# KiCad board Boven.kicad_pcb
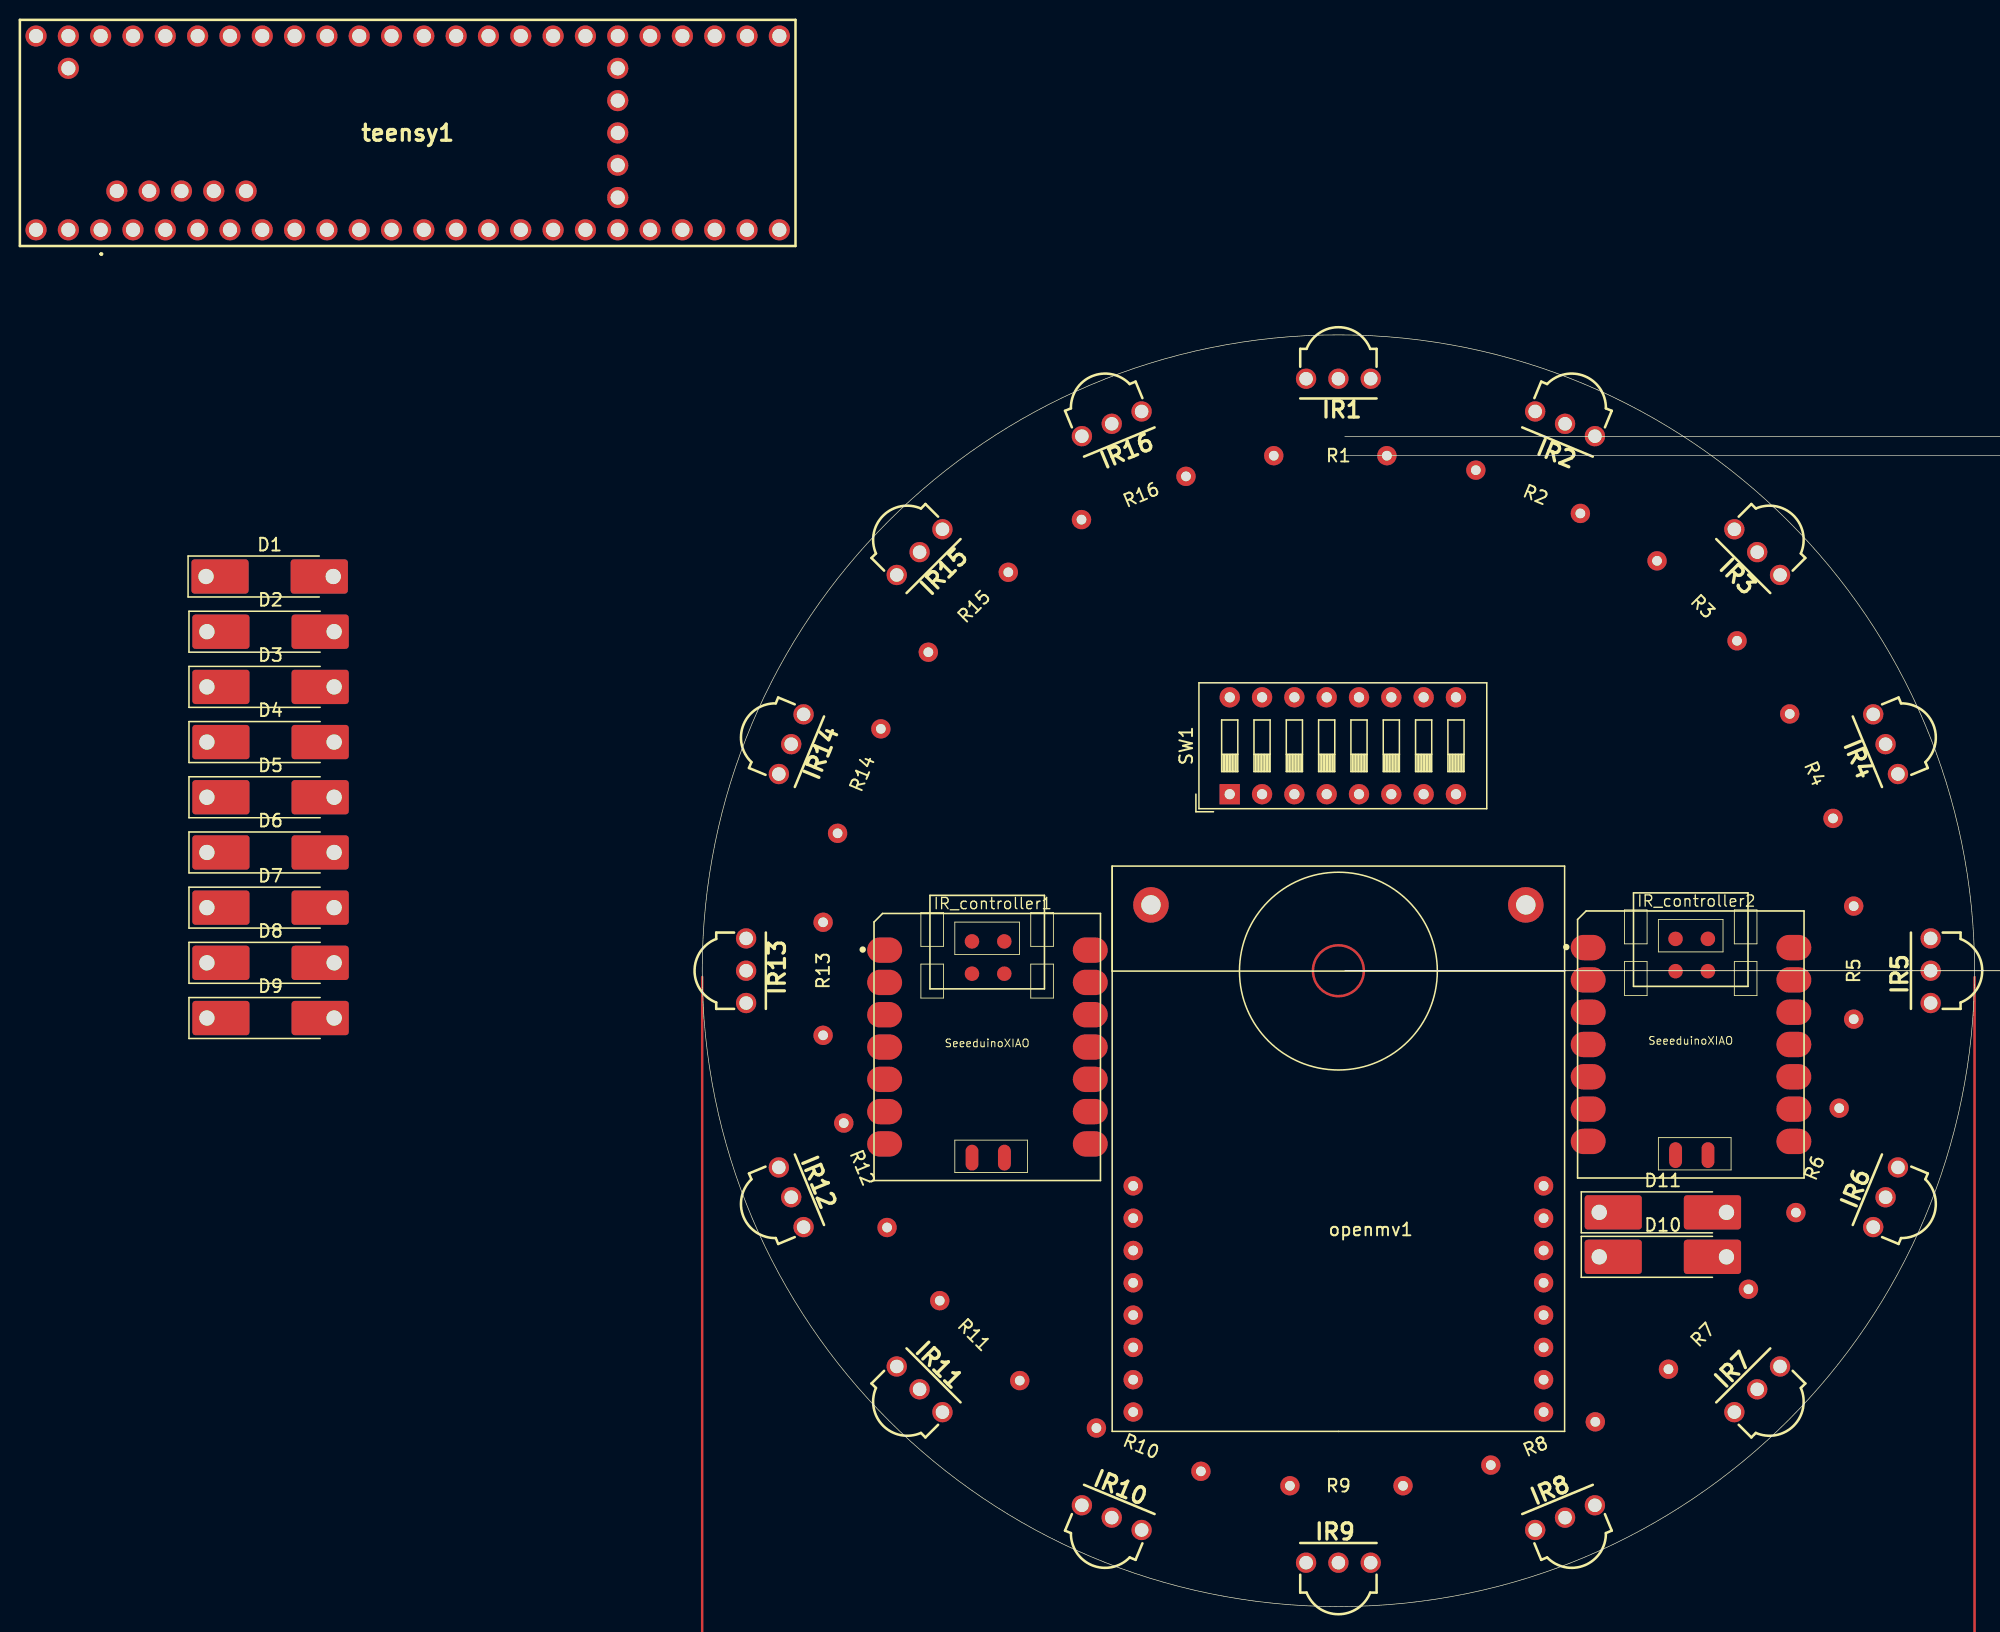
[diagram p0: board, top side]
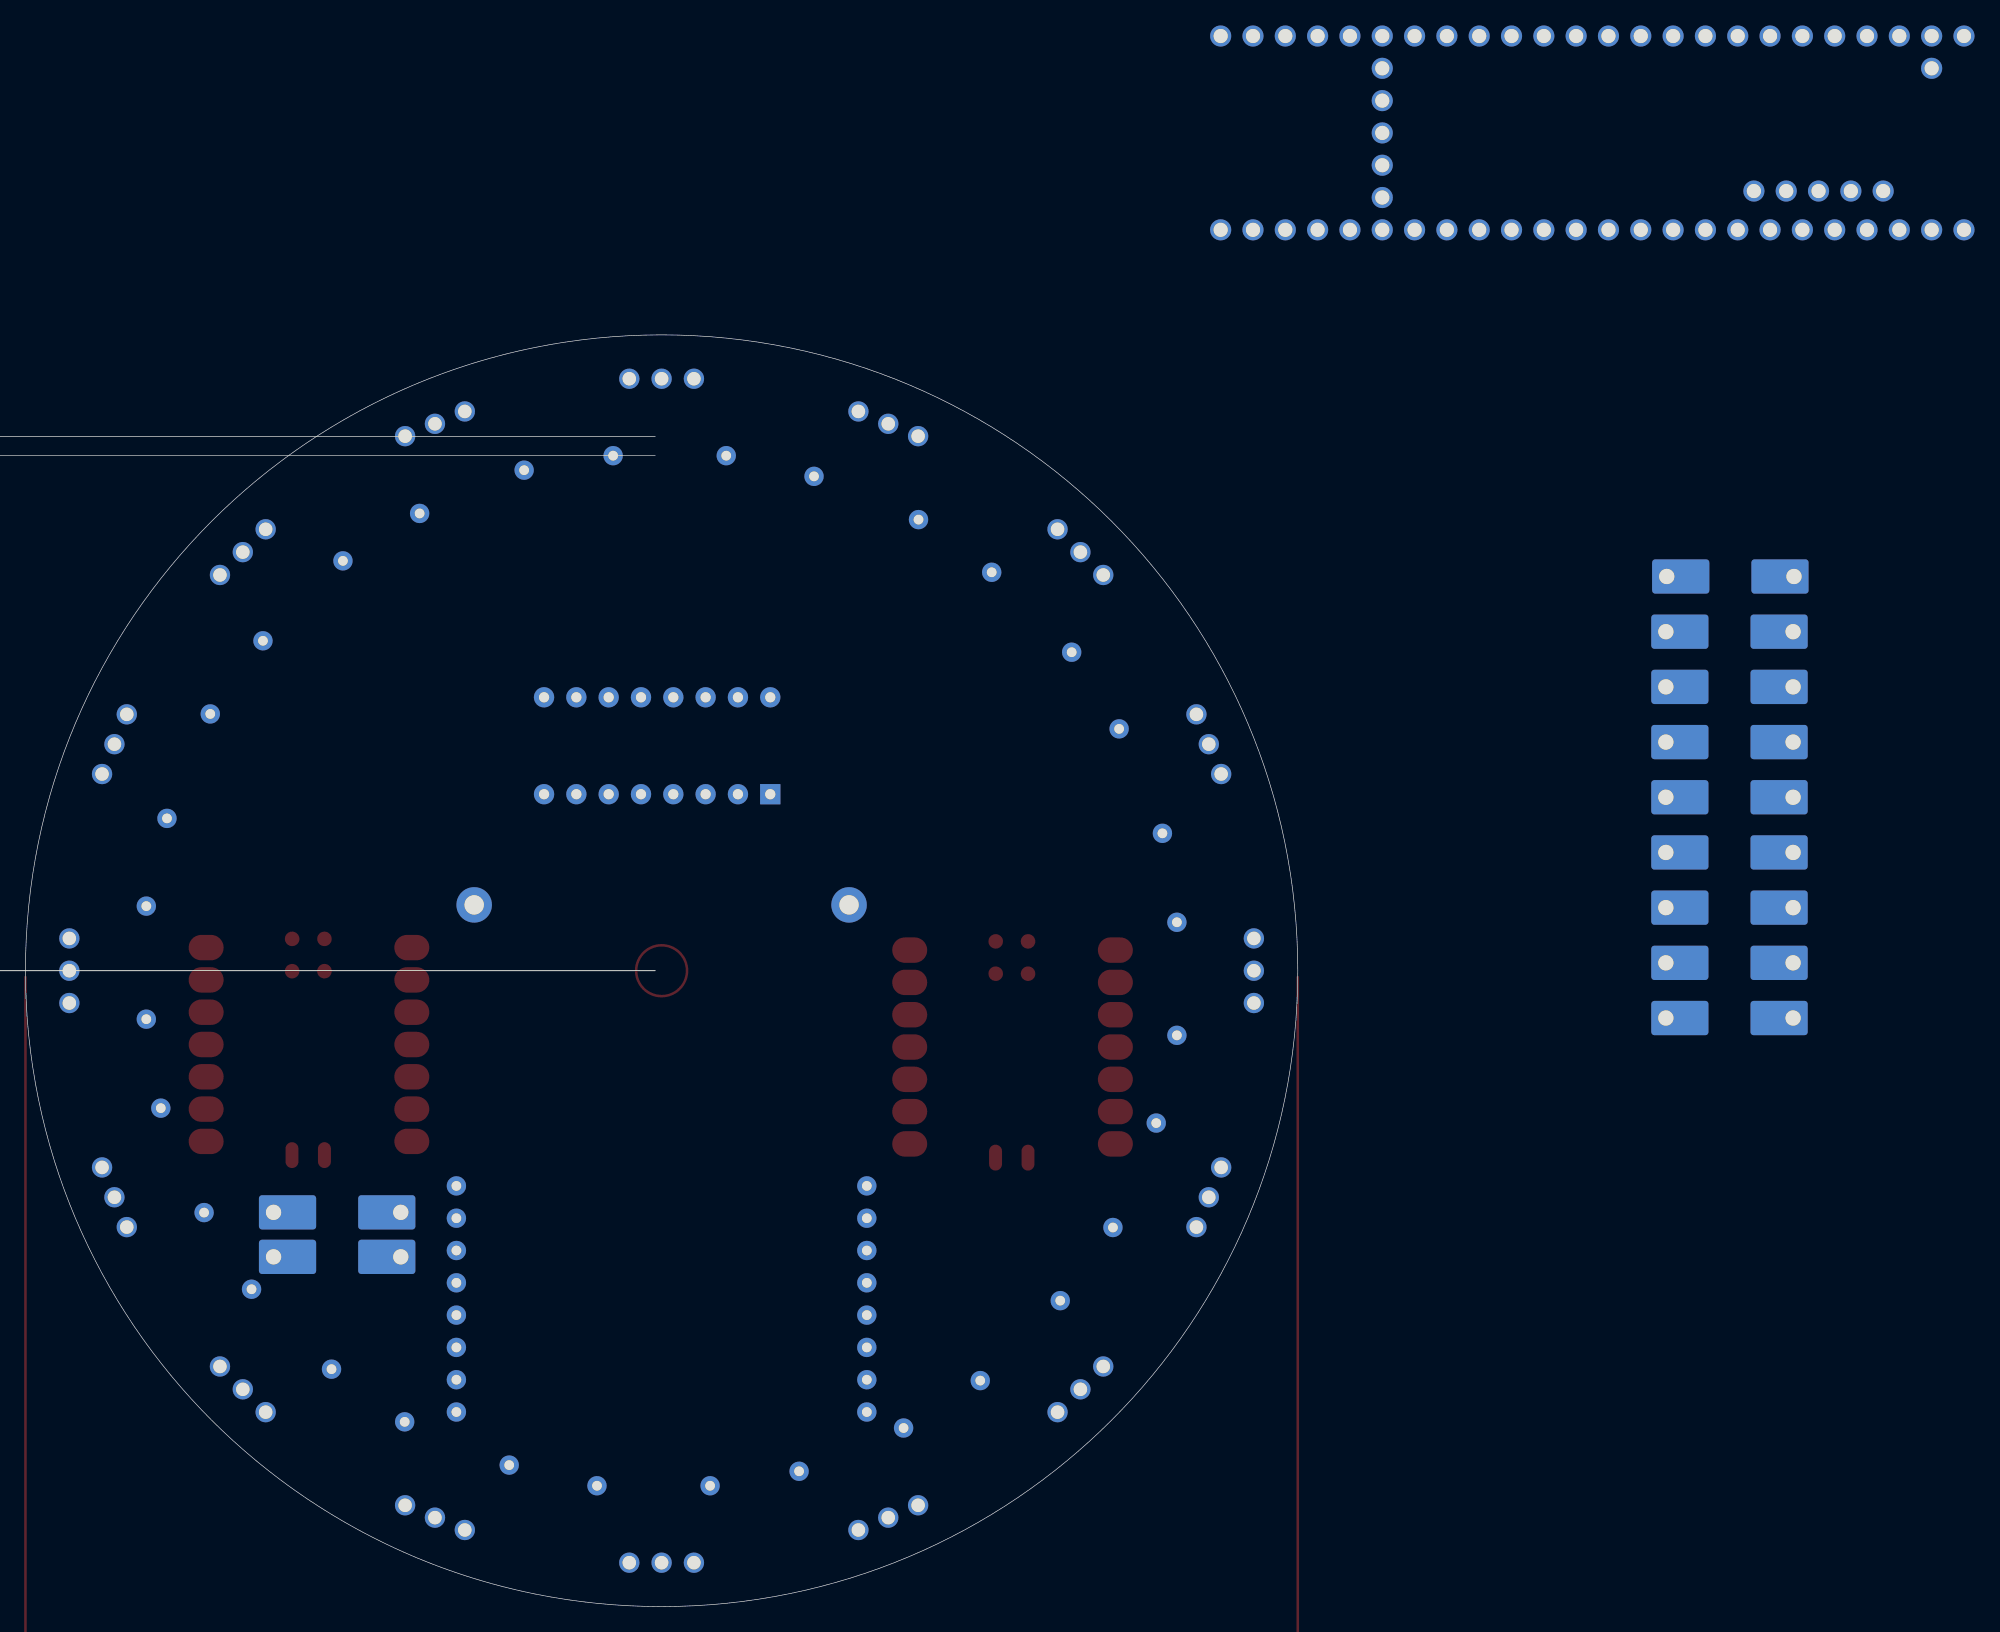
[diagram p1: board, bottom side, seen from below]

Outline 100 x 100 mm; copper layers: Top, Bottom. Coordinates in mm from the lower left corner of the outline.
Outline path: circle c50,50 r50

## Placement (name value [footprint] x y rotation side)
D1  D  [D_MELF-RM10_Universal_Handsoldering]  -34 81 0 top
D2  D  [D_MELF-RM10_Universal_Handsoldering]  -33.93 76.66 0 top
D3  D  [D_MELF-RM10_Universal_Handsoldering]  -33.93 72.32 0 top
D4  D  [D_MELF-RM10_Universal_Handsoldering]  -33.93 67.98 0 top
D5  D  [D_MELF-RM10_Universal_Handsoldering]  -33.93 63.64 0 top
D6  D  [D_MELF-RM10_Universal_Handsoldering]  -33.93 59.3 0 top
D7  D  [D_MELF-RM10_Universal_Handsoldering]  -33.93 54.96 0 top
D8  D  [D_MELF-RM10_Universal_Handsoldering]  -33.93 50.62 0 top
D9  D  [D_MELF-RM10_Universal_Handsoldering]  -33.93 46.28 0 top
D10  D  [D_MELF-RM10_Universal_Handsoldering]  75.5 27.5 0 top
D11  D  [D_MELF-RM10_Universal_Handsoldering]  75.5 31 0 top
IR1  -  [TSSP4038]  50 95 180 top
IR2  -  [TSSP4038]  67.22 91.57 157.5 top
IR3  -  [TSSP4038]  81.82 81.82 135 top
IR4  -  [TSSP4038]  91.57 67.22 112.5 top
IR5  -  [TSSP4038]  95 50 90 top
IR6  -  [TSSP4038]  91.57 32.78 67.5 top
IR7  -  [TSSP4038]  81.82 18.18 45 top
IR8  -  [TSSP4038]  67.22 8.43 22.5 top
IR9  -  [TSSP4038]  50 5 0 top
IR10  -  [TSSP4038]  32.78 8.43 337.5 top
IR11  -  [TSSP4038]  18.18 18.18 315 top
IR12  -  [TSSP4038]  8.43 32.78 292.5 top
IR13  -  [TSSP4038]  5 50 270 top
IR14  -  [TSSP4038]  8.43 67.22 247.5 top
IR15  -  [TSSP4038]  18.18 81.82 225 top
IR16  -  [TSSP4038]  32.78 91.57 202.5 top
IR_controller1  SeeeduinoXIAO  [Seeeduino XIAO-MOUDLE14P-2.54-21X17.8MM]  13.5 33.5 0 top
IR_controller2  SeeeduinoXIAO  [Seeeduino XIAO-MOUDLE14P-2.54-21X17.8MM]  68.8 33.7 0 top
openmv1  openMV_M7_R2  [openmv_m7_r2]  50 36 0 top
R1  R_US  [resistor]  50 90.5 0 top
R2  R_US  [resistor]  65.5 87.42 337.5 top
R3  R_US  [resistor]  78.64 78.64 315 top
R4  R_US  [resistor]  87.42 65.5 292.5 top
R5  R_US  [resistor]  90.5 50 270 top
R6  R_US  [resistor]  87.42 34.5 247.5 top
R7  R_US  [resistor]  78.64 21.36 225 top
R8  R_US  [resistor]  65.5 12.58 202.5 top
R9  R_US  [resistor]  50 9.5 180 top
R10  R_US  [resistor]  34.5 12.58 157.5 top
R11  R_US  [resistor]  21.36 21.36 135 top
R12  R_US  [resistor]  12.58 34.5 112.5 top
R13  R_US  [resistor]  9.5 50 90 top
R14  R_US  [resistor]  12.58 65.5 67.5 top
R15  R_US  [resistor]  21.36 78.64 45 top
R16  R_US  [resistor]  34.5 87.42 22.5 top
SW1  SW_DIP_x08  [SW_DIP_SPSTx08_Slide_9.78x22.5mm_W7.62mm_P2.54mm]  41.46 63.88 90 top
teensy1  TEENSY_4.1  [TEENSY41]  -47.28 108.26 0 top

## Library data of the parts
D1-D11 = -: Description: Diode; Sim.Pins: 1=K 2=A; ki_fp_filters: TO-???* *_Diode_* *SingleDiode* D_*
IR1-IR16 = -: Datasheet: https://componentsearchengine.com/Datasheets/2/TSSP4038.pdf; Description: IR Receiver Module 38KHz 25m EMI 3-Pin Vishay TSSP4038, 38kHz IR Receiver, 950nm +/-45 , 25m Range, 2.5V - 5V, Through Hole, 6 x 3.9 x 6.95mm; Manufacturer_Name: Vishay; Mouser Part Number: 782-TSSP4038; Mouser Price/Stock: https://www.mouser.co.uk/ProductDetail/Vishay-Semiconductors/TSSP4038?qs=lgjwDzixuo3Ja5hn%252BEmOdw%3D%3D; Arrow Price/Stock: https://www.arrow.com/en/products/tssp4038/vishay?region=nac
IR_controller1 IR_controller2 = -: Datasheet: https://wiki.seeedstudio.com/Seeeduino-XIAO/#resourses
R1-R16 = -: Description: Resistor, US symbol; ki_fp_filters: R_*
SW1 = -: Description: 8x DIP Switch, Single Pole Single Throw (SPST) switch, small symbol; ki_fp_filters: SW?DIP?x8*
teensy1 = -: Datasheet: https://www.pjrc.com/store/teensy41.html; Description: Teensy 4.1 Development Board; Description_1: Teensy 4.1 Development Board; Manufacturer_Name: PJRC; Manufacturer_Part_Number: TEENSY 4.1

## Footprints (pads in the part's own frame, mm; a bottom-side part is the same pattern mirrored in y, then rotated)
D_MELF-RM10_Universal_Handsoldering
  rrect 4.5x2.7 hole 1.199: 1(-5,0) 2(5,0)
openmv_m7_r2
  round 1.524 hole 0.762: 2(-16.129,-2.921) 3(-16.129,-5.461) 4(-16.129,-8.001) 5(-16.129,-10.541) 6(-16.129,-13.081) 7(-16.129,-15.621) 8(-16.129,-18.161) 9(-16.129,-20.701) 10(16.129,-2.921) 11(16.129,-5.461) 12(16.129,-8.001) 13(16.129,-10.541) 14(16.129,-13.081) 15(16.129,-15.621) 16(16.129,-18.161) 17(16.129,-20.701)
  round 2.794 hole 1.524: screw(-14.732,19.177) screw(14.732,19.177)
resistor
  round 1.524 hole 0.762: 1(-5.08,0) 2(3.81,0)
Seeeduino XIAO-MOUDLE14P-2.54-21X17.8MM
  oval 2.748x1.999 smd: 1(0.833,18.118) 2(0.833,15.578) 3(0.833,13.038) 4(0.833,10.498) 5(0.833,7.958) 6(0.833,5.418) 7(0.833,2.878) 8(16.998,2.878) 9(16.998,5.418) 10(16.998,7.958) 11(16.998,10.498) 12(16.998,13.038) 13(16.998,15.578) 14(16.998,18.118)
  oval 1.016x2.032 smd: 15(7.7,1.8) 16(10.25,1.8)
  round 1.143 smd: 17(7.699,18.804) 18(10.239,18.804) 19(7.699,16.264) 20(10.239,16.264)
SW_DIP_SPSTx08_Slide_9.78x22.5mm_W7.62mm_P2.54mm
  rect 1.6x1.6 hole 0.8: 1(0,0)
  oval 1.6x1.6 hole 0.8: 2(0,-2.54) 3(0,-5.08) 4(0,-7.62) 5(0,-10.16) 6(0,-12.7) 7(0,-15.24) 8(0,-17.78) 9(7.62,-17.78) 10(7.62,-15.24) 11(7.62,-12.7) 12(7.62,-10.16) 13(7.62,-7.62) 14(7.62,-5.08) 15(7.62,-2.54) 16(7.62,0)
TEENSY41
  round 1.665 hole 1.11: 1(0,0) 2(2.54,0) 3(5.08,0) 4(7.62,0) 5(10.16,0) 6(12.7,0) 7(15.24,0) 8(17.78,0) 9(20.32,0) 10(22.86,0) 11(25.4,0) 12(27.94,0) 13(27.94,15.24) 14(25.4,15.24) 15(22.86,15.24) 16(20.32,15.24) 17(17.78,15.24) 18(15.24,15.24) 19(12.7,15.24) 20(10.16,15.24) 21(7.62,15.24) 22(5.08,15.24) 23(2.54,15.24) 24(33.02,0) 25(35.56,0) 26(38.1,0) 27(40.64,0) 28(43.18,0) 29(45.72,0) 30(48.26,0) 31(50.8,0) 32(53.34,0) 33(53.34,15.24) 34(50.8,15.24) 35(48.26,15.24) 36(45.72,15.24) 37(43.18,15.24) 38(40.64,15.24) 39(38.1,15.24) 40(35.56,15.24) 41(33.02,15.24) 42(30.48,0) 43(40.64,2.54) 44(40.64,5.08) 45(40.64,7.62) 46(40.64,10.16) 47(40.64,12.7) 48(11.43,3.05) 49(8.89,3.05) 50(6.35,3.05) 51(3.81,3.05) 52(1.27,3.05) 53(0,15.24) 55(-5.08,15.24) 57(-2.54,0) 68(-2.54,12.7) 69(30.48,15.24) 70(-2.54,15.24) 71(-5.08,0)
TSSP4038
  round 1.6 hole 1.06: 1(-2.54,-1.55) 2(0,-1.55) 3(2.54,-1.55)

## Nets
3v3: D2.1 D7.2 D9.2
5v: D1.1 D5.2 D11.2
GND: D3.2 D4.1 D6.1 D8.1 D10.1 openmv1.screw SW1.9 SW1.10 SW1.11 SW1.12 SW1.13 SW1.14 SW1.15 SW1.16
Net-(D4-A): D4.2 teensy1.69 teensy1.70 teensy1.71
Net-(D5-K): D5.1 teensy1.55
Net-(D6-A): D6.2 IR_controller1.13
Net-(D7-K): D7.1 IR_controller1.12
Net-(D8-A): D8.2 IR_controller2.13
Net-(D9-K): D9.1 IR_controller2.12
Net-(D10-A): D10.2 openmv1.17
Net-(D11-K): D11.1 openmv1.16
Net-(IR1-GND): IR1.2 IR2.2 IR3.2 IR4.2 IR5.2 IR6.2 IR7.2 IR8.2 IR9.2 IR10.2 IR11.2 IR12.2 IR13.2 IR14.2 IR15.2 IR16.2
Net-(IR1-OUT): IR1.1 IR_controller1.1
Net-(IR1-VS): IR1.3 R1.1
Net-(IR2-OUT): IR2.1 IR_controller1.2
Net-(IR2-VS): IR2.3 R2.1
Net-(IR3-OUT): IR3.1 IR_controller1.3
Net-(IR3-VS): IR3.3 R3.1
Net-(IR4-OUT): IR4.1 IR_controller1.4
Net-(IR4-VS): IR4.3 R4.1
Net-(IR5-OUT): IR5.1 IR_controller1.5
Net-(IR5-VS): IR5.3 R5.1
Net-(IR6-OUT): IR6.1 IR_controller1.6
Net-(IR6-VS): IR6.3 R6.1
Net-(IR7-OUT): IR7.1 IR_controller1.9
Net-(IR7-VS): IR7.3 R7.1
Net-(IR8-OUT): IR8.1 IR_controller1.10
Net-(IR8-VS): IR8.3 R8.1
Net-(IR9-OUT): IR9.1 IR_controller1.11
Net-(IR9-VS): IR9.3 R9.1
Net-(IR10-OUT): IR10.1 IR_controller2.1
Net-(IR10-VS): IR10.3 R10.1
Net-(IR11-OUT): IR11.1 IR_controller2.2
Net-(IR11-VS): IR11.3 R11.1
Net-(IR12-OUT): IR12.1 IR_controller2.3
Net-(IR12-VS): IR12.3 R12.1
Net-(IR13-OUT): IR13.1 IR_controller2.4
Net-(IR13-VS): IR13.3 R13.1
Net-(IR14-OUT): IR14.1 IR_controller2.5
Net-(IR14-VS): IR14.3 R14.1
Net-(IR15-OUT): IR15.1 IR_controller2.6
Net-(IR15-VS): IR15.3 R15.1
Net-(IR16-OUT): IR16.1 IR_controller2.9
Net-(IR16-VS): IR16.3 R16.1
Net-(IR_controller1-PB08_A6_D6_TX): IR_controller1.7 teensy1.7
Net-(IR_controller1-PB09_A7_D7_RX): IR_controller1.8 teensy1.8
Net-(IR_controller2-PB08_A6_D6_TX): IR_controller2.7 teensy1.15
Net-(IR_controller2-PB09_A7_D7_RX): IR_controller2.8 teensy1.14
Net-(openmv1-p4): openmv1.6 teensy1.57
Net-(openmv1-p5): openmv1.7 teensy1.1
Net-(R1-Pad2): R1.2 R2.2 R3.2 R4.2 R5.2 R6.2 R7.2 R8.2 R9.2 R10.2 R11.2 R12.2 R13.2 R14.2 R15.2 R16.2
Net-(SW2A-A): teensy1.20
Net-(teensy1-A7): SW1.8 teensy1.21
Net-(teensy1-A8): SW1.7 teensy1.22
Net-(teensy1-A9): SW1.6 teensy1.23
Net-(teensy1-A10): SW1.5 teensy1.24
Net-(teensy1-A14): SW1.1 teensy1.38
Net-(teensy1-A15): SW1.2 teensy1.39
Net-(teensy1-A16): SW1.3 teensy1.40
Net-(teensy1-A17): SW1.4 teensy1.41

Pads without a net: D1 2; D2 2; D3 1; IR_controller1 14 15 16 17 18 19 20; IR_controller2 10 11 14 15 16 17 18 19 20; openmv1 2 3 4 5 8 9 10 11 12 13 14 15; teensy1 2 3 4 5 6 9 10 11 12 13 16 17 18 19 25 26 27 28 29 30 31 32 33 34 35 36 37 42 43 44 45 46 47 48 49 50 51 52 53 68
